# Altium PCB PWR_Switch_PCB.PcbDoc
Units mm, origin at the board's own origin, x right, y up, seen from the top; angles counter-clockwise.
Board outline 93 x 108 mm, 2 copper layers (Top Layer, Bottom Layer), stack 1.569 mm thick; 120 components, 76 nets, 388 pads, 208 vias.
Unrouted connection lines stored in the file: 63.
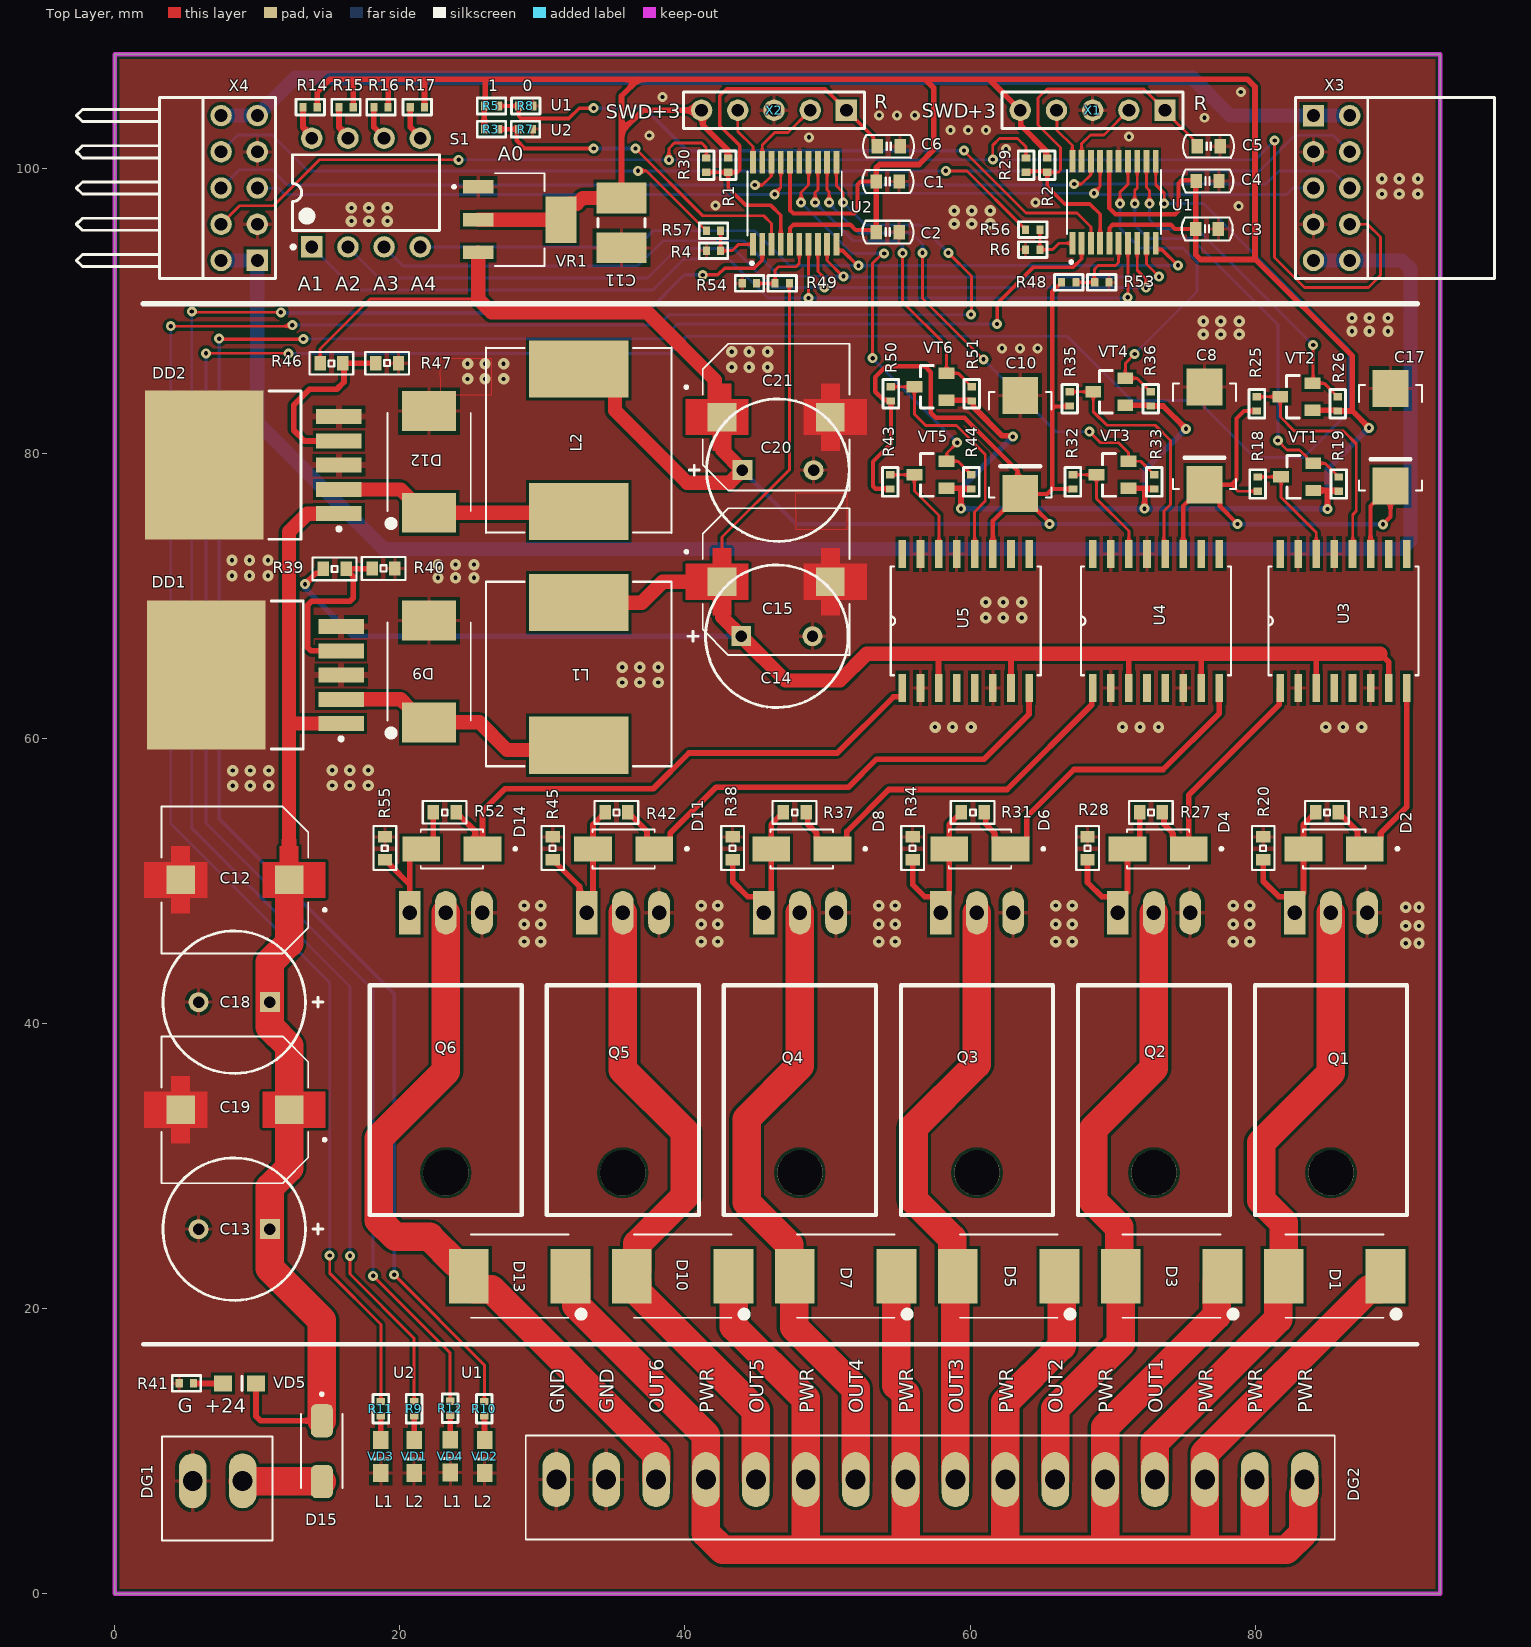
[diagram p0: Top Layer view]
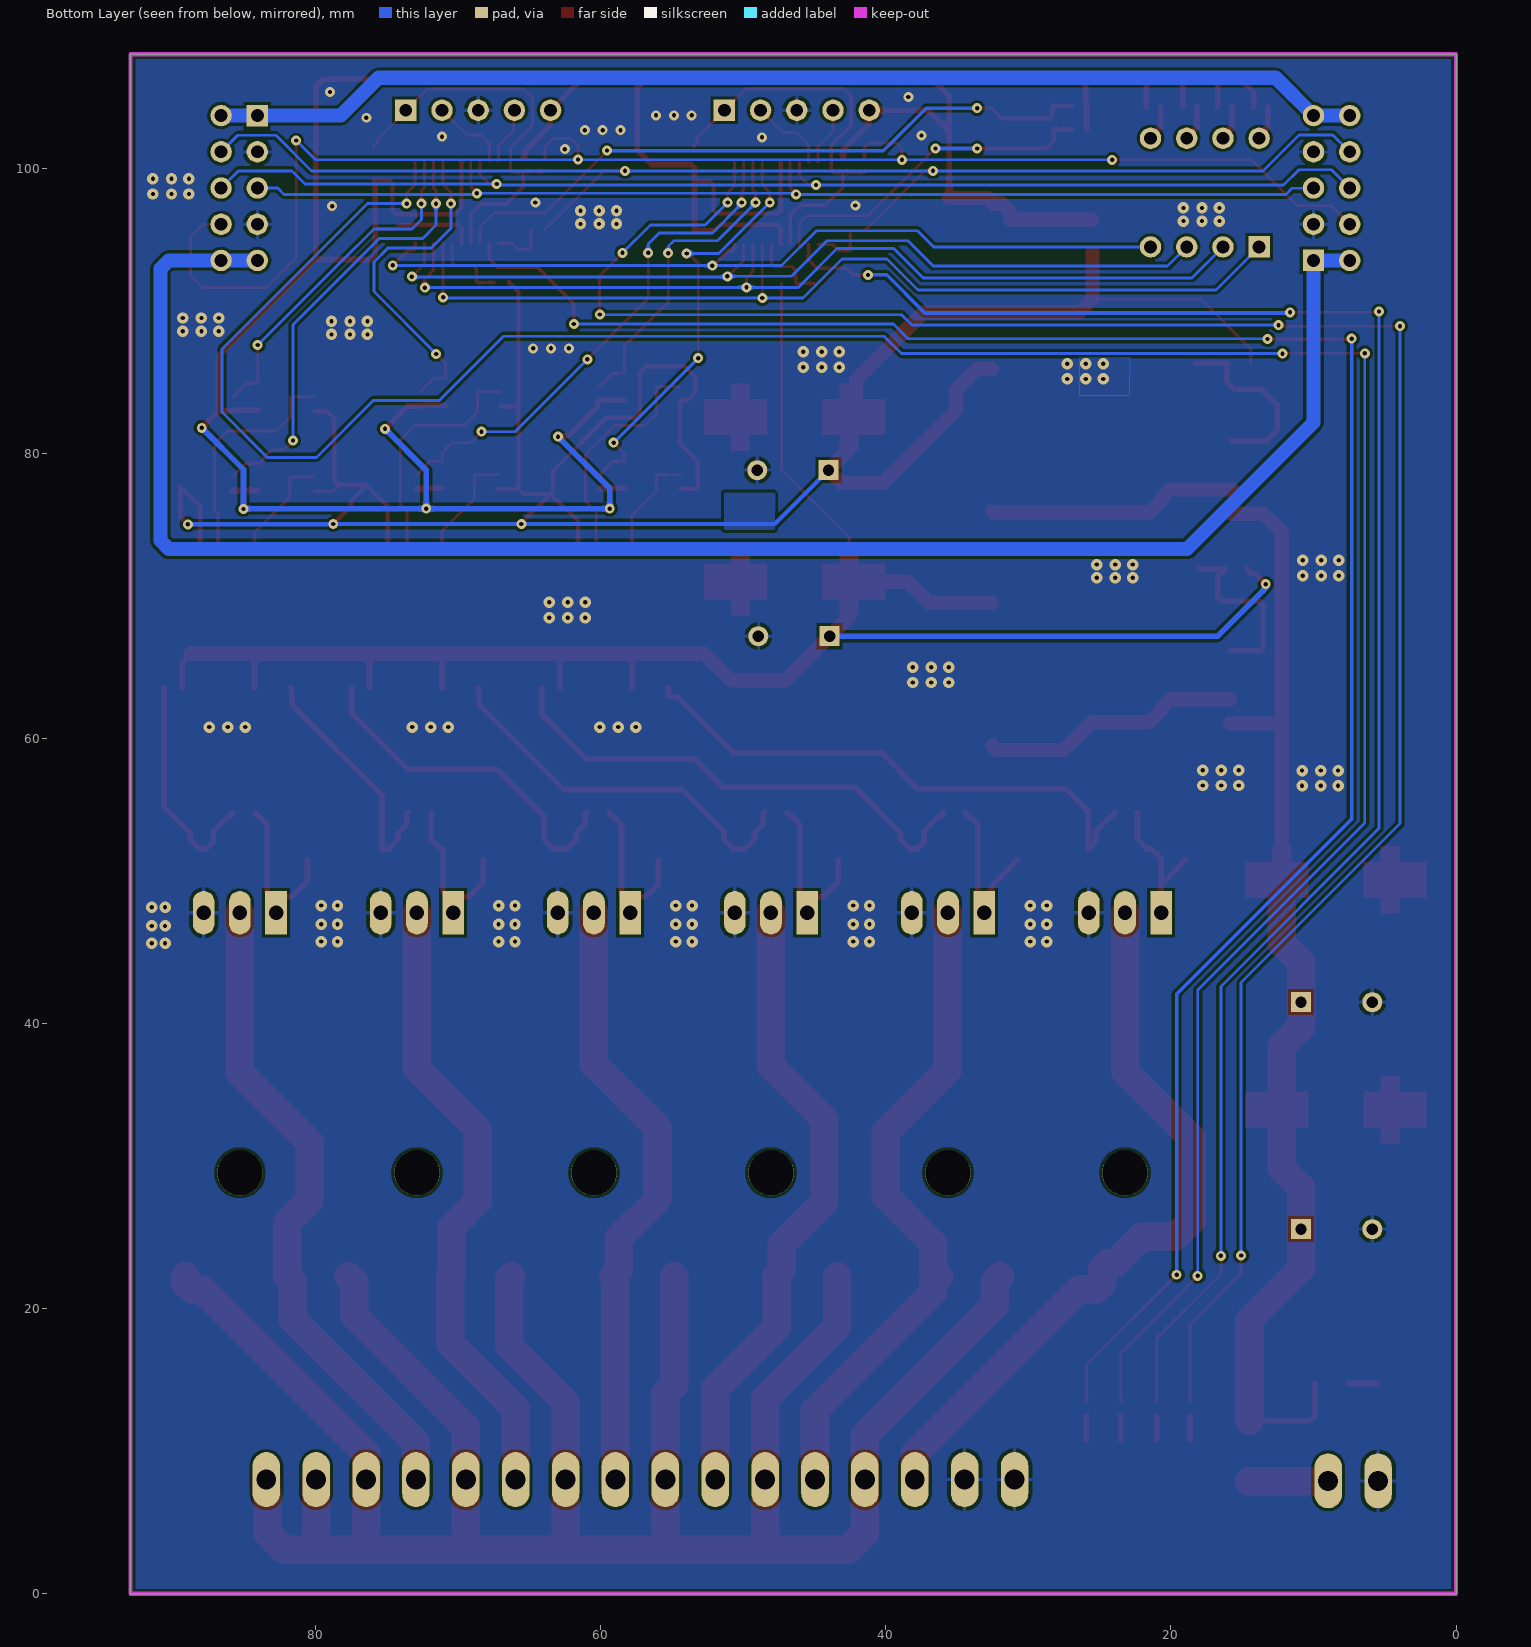
[diagram p1: Bottom Layer view, seen from below]

## Layer stack, top to bottom
Top Solder: solder mask 0.0254, SM-001, Dk 4
Top Layer: signal copper 0.035
Dielectric 1: core 1.4986, Core-043, Dk 4.3
Bottom Layer: signal copper 0.035
Bottom Solder: solder mask 0.0254, SM-001, Dk 4

## Board outline
0,0 0,108 93,108 93,0

## Design rules (kind name [scope] priority, off if disabled: settings)
Clearance [All] p1: gap=0.2 ignorepadtopadclearanceinfootprint=FALSE
DiffPairsRouting [All] p1: maxlimit=0.254 minlimit=0.2 mostfreqgap=0.254 toplayer_minwidth=0.25 toplayer_maxwidth=0.381 toplayer_prefwidth=0.381 bottomlayer_minwidth=0.25 bottomlayer_maxwidth=0.381 bottomlayer_prefwidth=0.381 maxuncoupledlength=12.7
HoleSize [All] p1: absolutevalues=TRUE maxlimit=5 minlimit=0.3 maxpercent=80.000 minpercent=20.000
MinimumSolderMaskSliver [All] p1: minsoldermaskwidth=0
PolygonConnect [All] p1: connectstyle=Relief reliefconductorwidth=0.254 reliefentries=4 polygonreliefangle="90 Angle" airgapwidth=0.254
RoutingVias [All] p1: holewidth=0.3 width=4 viastyle="Through Hole" minholewidth=0.3 minwidth=0 maxholewidth=1 maxwidth=4
SilkToSolderMaskClearance [IsPad] p1: minsilkscreentomaskgap=0.1 clearancetoexposedcopper=TRUE
SolderMaskExpansion [All] p1: expansion=0.102 istentingtop=FALSE
UnRoutedNet [All] p1: checkbadconnections=TRUE
Width [All] p1: maxlimit=4 minlimit=0.15 preferedwidth=0.254
25 further rules are at their usual default settings.

## Components (designator, comment, footprint, x,y, rotation, side; value= is the part's Value field where it differs from the comment)
C1 "0603 0.1 uF" "CAPACITOR 0603" 53.425,95.525 r0 top
C2 "0603 0.1 uF" "CAPACITOR 0603" 53.425,99.075 r0 top
C3 "0603 0.1 uF" "CAPACITOR 0603" 75.83,95.75 r0 top
C4 "0603 0.1 uF" "CAPACITOR 0603" 75.868,99.113 r0 top
C5 "0603 0.1 uF" "CAPACITOR 0603" 77.55,101.55 r180 top
C6 "0603 0.1 uF" "CAPACITOR 0603" 55.1,101.55 r180 top
C8 "22uf 35V" "C - EL_Tantal_TYPED" 76.45,81.2 r90 top
C10 "22uf 35V" "C - EL_Tantal_TYPED" 63.525,80.6 r90 top
C11 "18112 4.7 uF" CAPCHIP1812 35.55,96.175 r90 top
C12 "470µF 35V" CAP_EEEFK1V471SV 8.425,50.075 r180 top
C13 "NC" "ECR 10x13mm" 8.375,25.575 r180 top
C14 "NC" "ECR 10x13mm" 46.45,67.175 r0 top
C15 "470µF 35V" CAP_EEEFK1V471SV 46.4,71 r0 top
C17 "22uf 35V" "C - EL_Tantal_TYPED" 89.5,81.1 r90 top
C18 "NC" "ECR 10x13mm" 8.375,41.5 r180 top
C19 "470µF 35V" CAP_EEEFK1V471SV 8.425,33.95 r180 top
C20 "NC" "ECR 10x13mm" 46.525,78.825 r0 top
C21 "470µF 35V" CAP_EEEFK1V471SV 46.4,82.55 r0 top
D1 "MBRS540T3G" DIOM7958X213N 85.575,22.275 r180 top
D2 "SMA-2  ES1J" DIO_ES1J 85.55,52.245 r180 top
D3 "MBRS540T3G" DIOM7958X213N 74.14,22.275 r180 top
D4 "SMA-2  ES1J" DIO_ES1J 73.2,52.245 r180 top
D5 "MBRS540T3G" DIOM7958X213N 62.705,22.275 r180 top
D6 "SMA-2  ES1J" DIO_ES1J 60.7,52.245 r180 top
D7 "MBRS540T3G" DIOM7958X213N 51.27,22.275 r180 top
D8 "SMA-2  ES1J" DIO_ES1J 48.2,52.245 r180 top
D9 "MBRS540T3G" DIOM7958X213N 22.05,64.7 r90 top
D10 "MBRS540T3G" DIOM7958X213N 39.835,22.275 r180 top
D11 "SMA-2  ES1J" DIO_ES1J 35.7,52.245 r180 top
D12 "MBRS540T3G" DIOM7958X213N 22.05,79.4 r90 top
D13 "MBRS540T3G" DIOM7958X213N 28.4,22.275 r180 top
D14 "SMA-2  ES1J" DIO_ES1J 23.65,52.245 r180 top
D15 "B340A-13" DIOM5226X240N 14.525,10 r270 top
DD1 "LM2596S-ADJ" TO-263 9.875,64.45 r180 top
DD2 "LM2596S-ADJ" TO-263 9.725,79.175 r180 top
DG1 "15EDGVC-3.5-2P" 15EDGVC-3.5-16P#1 5.467,7.917 r90 top
DG2 "15EDGVC-3.5-16P" 15EDGVC-3.5-16P#2 30.975,8 r90 top
L1 "SRR1208-680Y" SRR1208 32.55,64.525 r90 top
L2 "SRR1208-680Y" SRR1208 32.55,80.925 r90 top
Q1 "IRFB7730" up-miror 85.325,47.775 r180 top
Q2 "IRFB7730" up-miror 72.905,47.775 r180 top
Q3 "IRFB7730" up-miror 60.485,47.775 r180 top
Q4 "IRFB7730" up-miror 48.065,47.775 r180 top
Q5 "IRFB7730" up-miror 35.645,47.775 r180 top
Q6 "IRFB7730" up-miror 23.225,47.775 r180 top
R1 "0402 10K" "Resistor 0402" 43.026,99.725 r90 top
R2 "0402 10K" "Resistor 0402" 65.423,99.725 r90 top
R3 "0402 10K" "Resistor 0402" 26.925,102.75 r180 top
R4 "0402 10K" "Resistor 0402" 42.5,94.225 r180 top
R5 "NC" "Resistor 0402" 26.925,104.375 r180 top
R6 "0402 10K" "Resistor 0402" 64.905,94.3 r180 top
R7 "NC" "Resistor 0402" 29.315,102.75 r180 top
R8 "0402 10K" "Resistor 0402" 29.34,104.375 r180 top
R9 "0402 3K" "Resistor 0402" 21,13.475 r270 top
R10 "0402 3K" "Resistor 0402" 25.925,13.475 r270 top
R11 "0402 3K" "Resistor 0402" 18.667,13.475 r270 top
R12 "0402 3K" "Resistor 0402" 23.525,13.5 r270 top
R13 "0603 33R" "Resistor 0603" 85.85,54.82 r180 top
R14 "0402 1K" "Resistor 0402" 14.2,104.3 r180 top
R15 "0402 1K" "Resistor 0402" 16.725,104.3 r180 top
R16 "0402 1K" "Resistor 0402" 19.175,104.3 r180 top
R17 "0402 1K" "Resistor 0402" 21.725,104.3 r180 top
R18 "0402 10K" "Resistor 0402" 80.175,77.35 r90 top
R19 "0402 10K" "Resistor 0402" 85.875,77.35 r90 top
R20 "0603 1,5k" "Resistor 0603" 80.575,51.5 r90 top
R25 "0402 10K" "Resistor 0402" 80.125,82.975 r90 top
R26 "0402 10K" "Resistor 0402" 85.801,82.975 r90 top
R27 "0603 33R" "Resistor 0603" 73.5,54.82 r180 top
R28 "0603 1,5k" "Resistor 0603" 68.25,51.5 r90 top
R29 "NC" "Resistor 0402" 63.93,100.725 r270 top
R30 "NC" "Resistor 0402" 41.5,100.725 r270 top
R31 "0603 33R" "Resistor 0603" 61,54.82 r180 top
R32 "0402 10K" "Resistor 0402" 67.225,77.5 r90 top
R33 "0402 10K" "Resistor 0402" 72.925,77.5 r90 top
R34 "0603 1,5k" "Resistor 0603" 55.975,51.5 r90 top
R35 "0402 10K" "Resistor 0402" 67,83.325 r90 top
R36 "0402 10K" "Resistor 0402" 72.676,83.325 r90 top
R37 "0603 33R" "Resistor 0603" 48.5,54.82 r180 top
R38 "0603 1,5k" "Resistor 0603" 43.35,51.5 r90 top
R39 "0603 9.1k" "Resistor 0603" 16.225,71.9 r180 top
R40 "0603 1k" "Resistor 0603" 18.05,71.925 r0 top
R41 "0402 10K" "Resistor 0402" 4.525,14.75 r0 top
R42 "0603 33R" "Resistor 0603" 36,54.82 r180 top
R43 "0402 10K" "Resistor 0402" 54.4,77.5 r90 top
R44 "0402 10K" "Resistor 0402" 60.1,77.5 r90 top
R45 "0603 1,5k" "Resistor 0603" 30.725,51.5 r90 top
R46 "0603 3k" "Resistor 0603" 16,86.325 r180 top
R47 "0603 1k" "Resistor 0603" 18.3,86.325 r0 top
R48 "0402 10K" "Resistor 0402" 66.43,92 r0 top
R49 "0402 10K" "Resistor 0402" 47.325,91.925 r180 top
R50 "0402 10K" "Resistor 0402" 54.45,83.675 r90 top
R51 "0402 10K" "Resistor 0402" 60.126,83.675 r90 top
R52 "0603 33R" "Resistor 0603" 23.95,54.825 r180 top
R53 "0402 10K" "Resistor 0402" 69.755,92 r180 top
R54 "0402 3K" "Resistor 0402" 44.025,91.925 r0 top
R55 "0603 1,5k" "Resistor 0603" 18.95,51.5 r90 top
R56 "NC" "Resistor 0402" 63.905,95.7 r0 top
R57 "NC" "Resistor 0402" 41.5,95.625 r0 top
S1 "SW-DIP4" DIP-8 17.625,98.3 r90 top
U1 "STM32F030F4P6" SOP65P640X120-20N 70.105,97.625 r90 top
U2 "STM32F030F4P6" SOP65P640X120-20N 47.7,97.55 r90 top
U3 "IR2110S" SOIC127P1032X265-16N 86.2,68.249 r90 top
U4 "IR2110S" SOIC127P1032X265-16N 73.05,68.249 r90 top
U5 "IR2110S" SOIC127P1032X265-16N 59.7,68.249 r90 top
VD1 "0805 G" 0805- 21,10.775 r270 top
VD2 "0805 G" 0805- 25.95,10.775 r270 top
VD3 "0805 G" 0805- 18.667,10.775 r270 top
VD4 "0805 G" 0805- 23.542,10.8 r270 top
VD5 "0805 G" 0805- 7.6,14.75 r0 top
VR1 "LM1117MPX-3.3" VREG_LM1117MPX-3.3 28.4,96.4 r0 top
VT1 "sot23 BSS138" SOT23 82.95,78.35 r180 top
VT2 "sot23 BSS138" SOT23 82.9,83.975 r180 top
VT3 "sot23 BSS138" SOT23 70,78.5 r180 top
VT4 "sot23 BSS138" SOT23 69.775,84.325 r180 top
VT5 "sot23 BSS138" SOT23 57.225,78.5 r180 top
VT6 "sot23 BSS138" SOT23 57.225,84.675 r180 top
X1 "PLS-5 2.54" PLS-5-3D 73.685,104.075 r180 top
X2 "PLS-5 2.54" PLS-5-3D 51.33,104.075 r180 top
X3 "PBD-10R" PBD-10RR 84.1,103.7 r270 top value=KLS1-208-2-10-R
X4 "PLD-10R" PLD-10RR2 10,93.54 r90 top value=KLS1-207-2-10-R1

## Footprints (in the part's own frame and the unit in brackets; to place one, negate y for a bottom-side part, rotate by r counter-clockwise, add the part's x,y. Pads: shape width x height; smd on the part's side, far side on the other; paste and mask are expansions set on the pad)
15EDGVC-3.5-16P#1 [mil]
  oval 152x76 hole 55.12: 1(0,0) 2(0,-137.8)
  silkscreen extent -165,-220 122,85, body extent -167,-220 117,87, height 362
15EDGVC-3.5-16P#2 [mil]
  oval 152x76 hole 55.12: 1(0,0) 2(0,-137.8) 3(0,-275.59) 4(0,-413.39) 5(0,-551.18) 6(0,-688.98) 7(0,-826.77) 8(0,-964.57) 9(0,-1102.36) 10(0,-1240.16) 11(0,-1377.95) 12(0,-1515.75) 13(0,-1653.54) 14(0,-1791.34) 15(0,-1929.13) 16(0,-2066.93)
  silkscreen extent -165,-2150 122,85, body extent -162,-2151 122,85, height 362
0805- [mm]
  rect 1.25x1.1 smd mask+0.06: A(0,0) K(2.3,0)
  silkscreen extent 1.33,-0.5 1.33,0.5, body extent 0.12,-0.62 2.14,0.63, height 1.1
"C - EL_Tantal_TYPED" [mm] "танталовый конденсатор"
  rect 2.6x2.5 smd: 1(-3.4,0) 2(3.46,0)
  silkscreen extent -3.7,-2.2 3.7,2.2, body extent -3.65,-2.15 3.65,2.15, height 3.1
CAP_EEEFK1V471SV [mm]
  rect 2x2 smd paste-2 mask+0: 1(-3.8,0) 2(3.8,0)
  Top Layer region: -3.15,1.25 -1.95,1.25 -1.95,-1.25 -3.15,-1.25 -3.15,-2.35 -4.45,-2.35 -4.45,-1.25 -6.35,-1.25 -6.35,1.25 -4.45,1.25 -4.45,2.35 -3.15,2.35
  Top Layer region: 4.45,1.25 6.35,1.25 6.35,-1.25 4.45,-1.25 4.45,-2.35 3.15,-2.35 3.15,-1.25 1.95,-1.25 1.95,1.25 3.15,1.25 3.15,2.35 4.45,2.35
  silkscreen extent -6.4,-5.15 5.15,5.15, body extent -5.85,-5.15 5.85,5.15, height 9.5
"CAPACITOR 0603" [mm]
  rect 0.8x1 smd: 1(0,0) 2(1.6,0)
  silkscreen extent -0.97,-0.8 2.6,0.8, body extent -0.01,-0.38 1.64,0.42, height 0.81
CAPCHIP1812 [mm] "Chip Capacitor, 2-Leads, Body 4,50x3,20mm,"
  rect 2.15x3.5 smd mask+0.06: 1(-1.75,0) 2(1.75,0)
  silkscreen extent -0.3,-1.65 0.3,1.65, body extent -2.25,-1.6 2.25,1.6, height 1
DIO_ES1J [mm]
  rect 2.65x1.75 smd: A(2.15,0) K(-2.15,0)
  silkscreen extent -4.54,-1.36 2.19,1.36
DIOM5226X240N [mm]
  rrect50% 2.33x1.55 smd: A(2.135,0) C(-2.135,0)
  silkscreen extent -4.1,-1.46 2.6,1.46, body extent -2.6,-1.3 2.6,1.3, height 2.4
DIOM7958X213N [mil]
  rect 110x150 smd: A(140.49,0) C(-140.49,0)
  silkscreen extent -176,-115 135,115
DIP-8 [mm] "DIP; 8 Leads; Row Spacing 7.62 mm; Pitch 2.54 mm"
  rect 1.5x1.5 hole 0.9: 1(-3.81,3.81)
  round 1.5 hole 0.9: 2(-3.81,1.27) 3(-3.81,-1.27) 4(-3.81,-3.81) 5(3.81,-3.81) 6(3.81,-1.27) 7(3.81,1.27) 8(3.81,3.81)
  silkscreen extent -3.93,-5.15 2.65,5.23, body extent -3.6,-5.15 3.6,5.15, height 5.08
"ECR 10x13mm" [mm] "Rad Capacitor 50В-220мкФ"
  rect 1.4x1.4 hole 0.8 mask+0.06: 1(-2.5,0)
  round 1.4 hole 0.8 mask+0.06: 2(2.5,0)
  silkscreen extent -6.22,-5 5,5, body extent -5,-5 4.97,5, height 12.51
PBD-10RR [mm] "Connector; Header; 5x2 Position"
  rect 1.5x1.5 hole 0.9: 1(0,0)
  round 1.5 hole 0.9: 2(0,2.54) 3(2.54,0) 4(2.54,2.54) 5(5.08,0) 6(5.08,2.54) 7(7.62,0) 8(7.62,2.54) 9(10.16,0) 10(10.16,2.54)
  silkscreen extent -1.27,-1.27 11.43,12.7, body extent -1.27,-0.3 11.43,12.7, height 5
PLD-10RR2 [mm] "Connector; Header; 5x2 Position"
  rect 1.5x1.5 hole 0.9: 1(0,0)
  round 1.5 hole 0.9: 2(0,2.54) 3(2.54,0) 4(2.54,2.54) 5(5.08,0) 6(5.08,2.54) 7(7.62,0) 8(7.62,2.54) 9(10.16,0) 10(10.16,2.54)
  silkscreen extent -1.27,-1.27 11.43,12.7, body extent -1.27,-0.32 11.43,12.52, height 5.08
PLS-5-3D [mm] "Connector; Header; 5 Position"
  rect 1.5x1.5 hole 0.9: 1(0,0)
  round 1.5 hole 0.9: 2(2.54,0) 3(5.08,0) 4(7.62,0) 5(10.16,0)
  silkscreen extent -1.27,-1.27 11.43,1.27, body extent -1.27,-1.27 11.43,1.27, height 8.44
"Resistor 0402" [mm]
  rect 0.5x0.6 smd: 1(0,0) 2(1,0)
  silkscreen extent -0.5,-0.55 1.5,0.55, body extent 0,-0.28 1,0.27, height 0.46
"Resistor 0603" [mm]
  rect 0.8x1 smd: 1(0,0) 2(1.6,0)
  silkscreen extent -0.72,-0.8 2.35,0.8, body extent -0.03,-0.45 1.63,0.45, height 0.46
SOIC127P1032X265-16N [mil]
  rect 78x21 smd: 1(-185,175) 2(-185,125) 3(-185,75) 4(-185,25) 5(-185,-25) 6(-185,-75) 7(-185,-125) 8(-185,-175) 9(185,-175) 10(185,-125) 11(185,-75) 12(185,-25) 13(185,25) 14(185,75) 15(185,125) 16(185,175)
  silkscreen extent -150,-207 150,207, body extent -203,-203 203,203, height 104
SOP65P640X120-20N [mm]
  rect 1.56x0.41 smd: 1(-2.88,2.925) 2(-2.88,2.275) 3(-2.88,1.625) 4(-2.88,0.975) 5(-2.88,0.325) 6(-2.88,-0.325) 7(-2.88,-0.975) 8(-2.88,-1.625) 9(-2.88,-2.275) 10(-2.88,-2.925) 11(2.88,-2.925) 12(2.88,-2.275) 13(2.88,-1.625) 14(2.88,-0.975) 15(2.88,-0.325) 16(2.88,0.325) 17(2.88,0.975) 18(2.88,1.625) 19(2.88,2.275) 20(2.88,2.925)
  silkscreen extent -4.3,-3.3 2.25,3.3, body extent -3.2,-3.25 3.2,3.25, height 1.18
SOT23 [mm] "SOT23, 3-Leads, Body 2.9x1.3mm, Pitch 0.95mm"
  rect 1.1x0.8 smd mask+0.06: 1(-1.125,0.95) 2(-1.125,-0.95) 3(1.125,0)
  silkscreen extent -0.2,-1.5 0.7,1.5, body extent -1.32,-1.5 1.32,1.5, height 1.08
SRR1208 [mm]
  rect 4x7 smd: P$1(-5,0) P$2(5,0)
  silkscreen extent -6.5,-6.5 6.5,6.5
TO-263 [mm] "D2-PAK, 6-Leads, Body 8.6x10.2mm, Pitch 1.7mm, Lead Span 14.1mm"
  rect 3.2x1.05 smd mask+0.06: 1(-6,3.4) 2(-6,1.7) 3(-6,0) 4(-6,-1.7) 5(-6,-3.4)
  rect 8.3x10.45 smd mask+0.06: 6(3.45,0)
  silkscreen extent -6.13,-5.2 -1.1,5.2, body extent -7.18,-5.08 7.46,5.08, height 4.57
up-miror [mil]
  rect 60x120 hole 40: 1(100,0)
  oval 60x120 hole 40: 2(0,0) 3(-100,0)
  round 125 hole 125 unplated: ""(0,718.5)
  silkscreen extent -210,200 210,835, body extent -190,-97 200,827, height 170
VREG_LM1117MPX-3.3 [mm]
  rect 2.15x0.95 smd: 1(-2.9,2.3) 2(-2.9,0) 3(-2.9,-2.3)
  rect 2.15x3.25 smd: 4(2.9,0)
  silkscreen extent -4.7,-3.25 1.75,3.25, body extent -3.5,-3.25 3.5,3.25, height 1.8

## Part data
C1 C2 C3 C4 C5 C6: library part Capasitor, "Ceramic Capacitor", Package=0603
C8 C10 C17: library part "C - EL_Tantal_SMD_TypeD", "Tantal TypeD HGD226K035T", Indication={Indication}, Name=HGD226K035T
C11: library part "Cap C", "Ceramic Capacitor", Nominal_voltage_V={Nominal_voltage_V}, Package=1812, Tolerance_Percent={Tolerance_Percent}, Body={Body}, Class="Электронные компоненты", Installation={Installation}, Ordering_Information={Ordering_Information}, Pins={Pins}, SubClass=Конденсаторы, TKE={TKE}
C12 C15 C19 C21: library part EEEFK1V471SV, "EEEFK1V471SV 470µF 35V Aluminum Electrolytic Capacitors Radial, Can - SMD 80mOhm @ 100kHz 2000 Hrs @ 105°C", Package="RADIAL-2 Panasonic", Availability="In Stock", Check_prices=https://www.snapeda.com/parts/EEE-FK1V471SV/Panasonic/view-part/?ref=eda, MF="Panasonic Electronic Components", MP=EEE-FK1V471SV, Price=None, Purchase-URL=https://pricing.snapeda.com/search/part/EEE-FK1V471SV/?ref=eda, SnapEDA_Link=https://www.snapeda.com/parts/EEE-FK1V471SV/Panasonic/view-part/?ref=snap
C13 C14 C18 C20: library part "Cap Pol", "Polarized Capacitor (Rad) 220uF 50v", Voltage=50, Type=10x13, URL=http://www.hitano.com.tw/PDF/ECR_081225.pdf
D1 D3 D5 D7 D9 D10 D12 D13: "Diode Schottky 40V 5A Surface Mount SMC", Package="DO-214 ON Semiconductor", Availability=Unavailable, MF="ON Semiconductor", MP=MBRS540T3G, Price=None, SnapEDA_Link=https://www.snapeda.com/parts/MBRS540T3G/ON%20Semiconductor/view-part/78777/?ref=snap
D2 D4 D6 D8 D11 D14: library part ES1J, "Diode Standard 600V 1A Surface Mount SMA (DO-214AC)", Package="SMA-2 ON Semiconductor", Arrow_Electronics-Purchase-URL=https://snapeda.com/shop?store=Arrow+Electronics&id=1637442, Availability=Good, BuyPart=https://www.snapeda.com/parts/ES1J/ON%20Semiconductor/view-part/1637442/?ref=eda, DigiKey-Purchase-URL=https://snapeda.com/shop?store=DigiKey&id=1637442, MF="ON Semiconductor", Mouser-Purchase-URL=https://snapeda.com/shop?store=Mouser&id=1637442, MP=ES1J, Price=None, SnapEDA_Link=https://www.snapeda.com/parts/ES1J/ON%20Semiconductor/view-part/1637442/?ref=snap
D15: "Diode Schottky 40 V 3A Surface Mount SMA", Package="DO-214 Diodes Inc.", Availability="In Stock", Check_prices=https://www.snapeda.com/parts/B340A-13/Diodes+Inc./view-part/?ref=eda, MF="Diodes Inc.", MP=B340A-13, Price=None, Purchase-URL=https://pricing.snapeda.com/search/part/B340A-13/?ref=eda, SnapEDA_Link=https://www.snapeda.com/parts/B340A-13/Diodes+Inc./view-part/?ref=snap
DD1 DD2: "SIMPLE SWITCHER® Power Converter 150 KHz 3A Step-Down Voltage Regulator, 5-pin TO-263", Manufacturer="National Semiconductor", ComponentLink1URL=http://www.national.com/ds/LM/LM2596.pdf, ComponentLink2URL=http://www.national.com/pf/LM/LM2596.html, ComponentLink3URL=http://www.national.com/packaging/folders/ts5b.html, CompType=Switcher, PartNumber=LM2596S-ADJ, Published=13.04.2012, Publisher="Reukov A.V."
L1 L2: library part SRR1208-6R5ML, "68µH Shielded Wirewound Inductor 1.8A 18mOhm Max Nonstandard", Package="Nonstandard Bourns", Availability=Unavailable, MF=Bourns, MP=SRR1208-6R5ML, Price=None, SnapEDA_Link=https://www.snapeda.com/parts/SRR1208-6R5ML/Bourns/view-part/353452/?ref=snap
Q1 Q2 Q3 Q4 Q5 Q6: library part IRF, "N-Channel Power Transistor - TO-220", Package=None, Availability=Unavailable, MP=IPP037N06L3_G, Price=None
R1 R2 R3 R4 R5 R6 R7 R8 R9 R10 R11 R12 R14 R15 R16 R17 R18 R19 R25 R26 R29 R30 R32 R33 R35 R36 R41 R43 R44 R48 R49 R50 R51 R53 R54 R56 R57: library part Resistor, "Resistor", Package=0402
R13 R20 R27 R28 R31 R34 R37 R38 R39 R40 R42 R45 R46 R47 R52 R55: library part Resistor, "Resistor", Package=0603
S1: "DIP Switch", LatestRevisionDate=17-Jul-2002, LatestRevisionNote="Re-released for DXP Platform.", PackageReference=DIP-8, Published=24-Mar-1999, Publisher="Altium Limited"
U1 U2: "MCU 32-bit STM32F ARM Cortex M0 RISC 16KB Flash 2.5V/3.3V 20-Pin TSSOP Tray", Package=None, Availability=Unavailable, MP=STM32F030F4P6, Price=None
U3 U4 U5: "Half-Bridge Gate Driver IC Non-Inverting 16-SOIC", Package="SOIC-16 International Rectifier", Availability="In Stock", Check_prices=https://www.snapeda.com/parts/IR2110S/Infineon+Technologies/view-part/?ref=eda, MF=Infineon, MP=IR2110S, Price=None, Purchase-URL=https://pricing.snapeda.com/search/part/IR2110S/?ref=eda, SnapEDA_Link=https://www.snapeda.com/parts/IR2110S/Infineon+Technologies/view-part/?ref=snap
VD1 VD2 VD3 VD4: library part "LED SMD", "Green", Package=0805, CompType=LED, Note=Read, Pins=2
VD5: library part "LED SMD", "Green", Color={Color}, Body={Body}, Class="Электронные компоненты", Diameter_mm={Diameter_mm}, Installation={Installation}, Luminous_intensity_mcd={Luminous_intensity_mcd}, Ordering_Information={Ordering_Information}, Pins=2, Pitch_mm={Pitch_mm}, SubClass=Светодиоды
VR1: "800-mA 3.3-V linear voltage regulator", Package="SOT-223-4 Texas Instruments", Availability="In Stock", Check_prices=https://www.snapeda.com/parts/LM1117MPX-3.3/Texas+Instruments/view-part/?ref=eda, MF="Texas Instruments", MP=LM1117MPX-3.3, Price=None, Purchase-URL=https://pricing.snapeda.com/search/part/LM1117MPX-3.3/?ref=eda, SnapEDA_Link=https://www.snapeda.com/parts/LM1117MPX-3.3/Texas+Instruments/view-part/?ref=snap
VT1 VT2 VT3 VT4 VT5 VT6: library part BSS138, "N-Channel Power MOSFET", Package=SOT23, Published=17.04.2012, Publisher="Reukov A.V."
X1 X2: library part PLS-5, "Header, 5-Pin", Package="2.54 x 5", CompType=connector, Note="header pins 2.54mm x 5", PartNumber=PLS-5, Pins=5
X3 X4: "Header, 5-Pin, Dual row"
  X3: Package=PBD-10R
  X4: Package=PLD-10R

## Via types
v1: diameter 0.8, hole 0.3, Top Layer to Bottom Layer, tented both sides, 123 vias
v2: diameter 0.7, hole 0.3, Top Layer to Bottom Layer, tented both sides, 85 vias
